# KiCad board sizif512ext.kicad_pcb (continued)
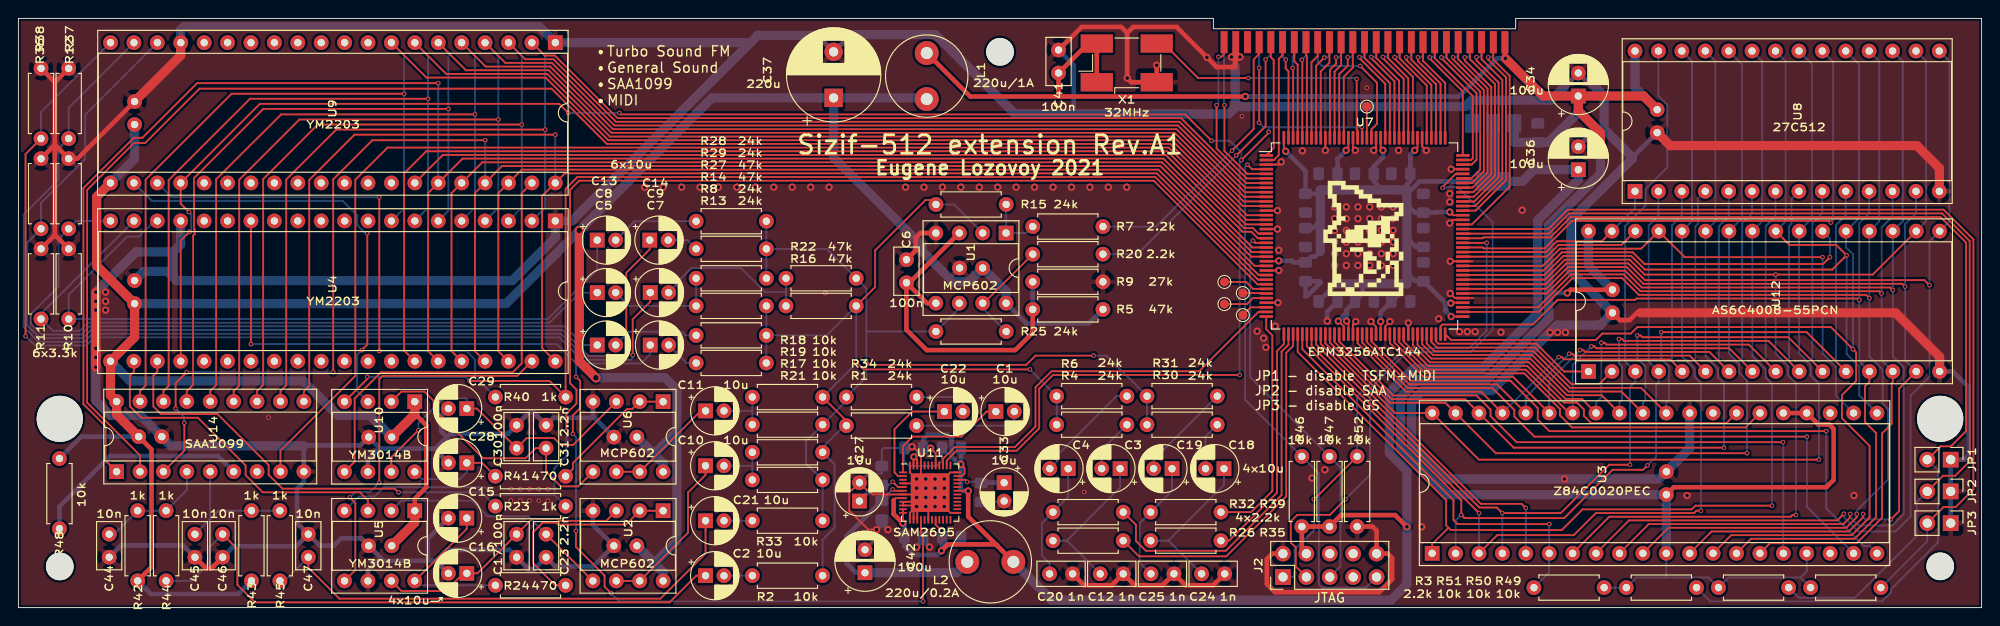
[diagram p0: board, top side]
## Nets (continued)
/SAA_L: C2.1 C46.1 R44.2
/SAA_R: C21.1 C47.1 R45.2
/TCK: J2.1 R52.1 U7.89
/TDI: J2.9 R46.1 U7.4
/TDO: J2.3 U7.104
/TMS: J2.5 R47.1 U7.20
/YM_M: U4.38 U7.25 U9.38
/~{ARD}: U4.36 U7.22 U9.36
/~{AWR}: U4.35 U7.21 U9.35 U14.1
/~{BUSACK}: J1.4 U7.93
/~{BUSRQ}: J1.6 U7.97
/~{GINT}: U3.16 U7.49
/~{GIORQ}: U3.20 U7.56
/~{GM1}: U3.27 U7.63
/~{GMREQ}: U3.19 U7.54
/~{GRAM}: U7.83 U12.22
/~{GRD}: U3.21 U7.82 U8.22 U12.24
/~{GRESET}: U3.26 U7.61
/~{GROM}: U7.88 U8.20
/~{GWR}: U3.22 U7.84 U12.29
/~{HALT}: J1.3 U7.96
/~{INT}: J1.39 U7.143
/~{IORQGE}: J1.20 U7.113
/~{IORQ}: J1.14 U7.107
/~{M1}: J1.26 U7.121
/~{MREQ}: J1.28 U7.131
/~{NMI}: J1.42 U7.1
/~{RD}: J1.18 U7.111
/~{RFSH}: J1.25 U7.122
/~{ROMCSB}: J1.11 U7.106
/~{RST}: J1.43 U4.24 U7.127 U9.24 U11.38
/~{SAA_CS}: U7.15 U14.2
/~{WAIT}: J1.8 U7.99
/~{WR}: J1.16 U7.109
/~{YM1_CS}: U4.34 U7.18
/~{YM2_CS}: U7.19 U9.34
Net-(C1-Pad2): C1.2 R1.2
Net-(C2-Pad2): C2.2 R2.2
Net-(C3-Pad2): C3.2 R4.2
Net-(C4-Pad2): C4.2 R6.2
Net-(C5-Pad2): C5.2 R8.2
Net-(C6-Pad2): C6.2 R5.1 R9.1 U1.3 U1.5
Net-(C7-Pad2): C7.2 R13.2
Net-(C8-Pad2): C8.2 R14.2 R27.2
Net-(C9-Pad2): C9.2 R16.2 R22.2
Net-(C10-Pad2): C10.2 R17.2 R21.2
Net-(C11-Pad2): C11.2 R18.2 R19.2
Net-(C13-Pad2): C13.2 R28.2
Net-(C14-Pad2): C14.2 R29.2
Net-(C15-Pad1): C15.1 R24.2 U5.8
Net-(C16-Pad1): C16.1 C17.1 U2.3 U5.7
Net-(C18-Pad2): C18.2 R30.2
Net-(C19-Pad2): C19.2 R31.2
Net-(C21-Pad2): C21.2 R33.2
Net-(C22-Pad2): C22.2 R34.2
Net-(C23-Pad1): C23.1 U2.5 U5.2
Net-(C26-Pad1): C26.1 C27.1 U11.5
Net-(C28-Pad1): C28.1 R41.2 U10.8
Net-(C29-Pad1): C29.1 C30.1 U6.3 U10.7
Net-(C31-Pad1): C31.1 U6.5 U10.2
Net-(C32-Pad1): C32.1 C33.1 U11.34
Net-(C44-Pad1): C44.1 R42.1 R44.1 U14.4
Net-(C45-Pad1): C45.1 R43.1 R45.1 U14.5
Net-(R1-Pad1): R1.1 R2.1 R4.1 R6.1 R8.1 R13.1 R14.1 R15.1 R16.1 R17.1 R18.1 U1.2
Net-(R15-Pad2): R7.2 R15.2 U1.1
Net-(R19-Pad1): R19.1 R21.1 R22.1 R25.1 R27.1 R28.1 R29.1 R30.1 R31.1 R33.1 R34.1 U1.6
Net-(R20-Pad2): R20.2 R25.2 U1.7
Net-(R23-Pad1): R23.1 U4.23
Net-(R24-Pad1): R24.1 U2.1 U2.2
Net-(R40-Pad1): R40.1 U9.23
Net-(R41-Pad1): R41.1 U6.1 U6.2
Net-(R48-Pad1): R48.1 U14.6
Net-(TP1-Pad1): TP1.1 U7.126
Net-(TP2-Pad1): TP2.1 U7.30
Net-(TP3-Pad1): TP3.1 U7.31
Net-(TP4-Pad1): TP4.1 U7.32
Net-(TP5-Pad1): TP5.1 U7.34
Net-(U4-Pad22): U4.22 U5.3
Net-(U4-Pad39): U4.39 U5.5
Net-(U10-Pad3): U9.22 U10.3
Net-(U10-Pad5): U9.39 U10.5

Pads without a net: J1 45 46; J2 6 7 8; U3 18 23 28; U4 9 10 11 12 13 15 16 25 26 27 28 29 30 31 32 33; U9 9 10 11 12 13 14 15 16 25 26 27 28 29 30 31 32 33; U11 3 17 19 21 22 23 24 26 27 28 29 30 32 33 37 40 42 43 44; U14 7

## Via types
v1: diameter 0.8, hole 0.4, Top to Bottom, 160 vias
v2: diameter 0.5, hole 0.3, Top to Bottom, 141 vias
v3: diameter 1, hole 0.6, Top to Bottom, 2 vias

## Routing (per net, layer and track width the routed paths; a pad name or vN(x,y) marks a point on that pad's centre or on a via; arc(x,y) is an arc through that point)
+3.3VA: length 25.7
  Top w0.2: v2(94.85,12.84) 95,12.69 U11.6
  Bottom w0.2: C43.1 93.68,11.67 v2(94.85,12.84)
  Bottom w0.5: C43.1 89.85,7.77 89.85,4.81 90.88,3.79 C42.1
  Bottom w1: 102.65,4.67 L2.2 101.77,3.79 C42.1
+3V3: length 309.5
  Top w0.2: U7.50 143.8,30.55 143.23,31.12 v1(143.2,31.12) ; v1(148.05,49.67) 147.8,49.92 U7.123 ; 94.95,11.67 95.17,11.89 U11.8 ; v1(144.1,31.12) 144.3,30.92 U7.51 ; v1(102.25,15.57) 102.65,15.17 102.65,14.55 102.4,14.29 U11.35 ; v1(151.5,49.67) 151.8,49.97 U7.115 ; U7.24 136.7,37.62 v1(136.75,37.67) ; U11.11 U11.12 95.97,9.19 v1(95.95,9.17) ; U11.46 97.52,16 v1(97.15,16.37) 97.12,16.34 U11.47 ; U7.73 v1(155.45,31.62) ; U11.41 99.52,16.78 v1(98.98,17.32) ; U7.95 155.65,42.62 v1(155.3,42.97) ; U11.20 99.52,9 v1(100.15,8.37) ; v1(144.05,49.67) 144.3,49.92 U7.130 ; v1(155.41,33.07) 155.46,33.12 U7.76 ; U7.58 v1(147.8,31.07) ; v1(103.05,12.67) 103.03,12.69 U11.31 ; v1(137.5,49.57) 137.3,49.77 U7.144
  Top w0.5: R47.2 143.5,10.05 149.37,10.05 v1(150.65,8.77) ; R47.2 R46.2 139.25,6.35 J2.4 ; R47.2 142.25,8.37 ; 94.95,11.67 94.95,10.17 v1(95.95,9.17) ; 100.7,6.72 100.65,6.67 ; 100.7,6.72 100.85,6.87 106.05,6.87 106.2,6.72 ; 100.7,6.72 v1(100.15,6.17) ; v1(103.05,12.67) 103.05,9.87 106.2,6.72 ; 106.2,6.72 L2.1
  Bottom w0.2: v1(98.98,17.32) 98.95,17.35 C70.1 ; 95.95,8.02 96.12,7.85 ; C68.1 100.22,8.3 v1(100.15,8.37)
  Bottom w0.5: 154.84,33.07 152.43,35.49 151.53,35.49 150.65,36.37 ; 154.84,33.07 v1(155.41,33.07) ; 154.84,33.07 154.84,32.23 v1(155.45,31.62) ; 141.25,38.67 140.7,38.12 140.27,38.12 139.65,37.5 138.38,37.5 138.2,37.67 v1(136.75,37.67) ; v1(155.3,42.97) 153.75,42.97 153.68,42.9 C54.1 151.53,42.9 150.65,43.77 ; 144.1,32.34 144.1,32.02 v1(143.2,31.12) ; 144.1,32.34 C57.1 145.85,34.09 145.85,35.17 ; 144.1,32.34 v1(144.1,31.12) ; 147.85,45.37 147.85,45.54 147.06,46.33 C53.1 147.06,47.93 148.05,48.92 v1(148.05,49.67) ; C58.1 142.85,35.03 142.85,35.17 ; v1(103.05,12.67) 102.48,12.67 102.25,12.9 v1(102.25,15.57) ; v1(144.05,49.67) 143.12,48.75 C48.1 143.12,46.2 143.95,45.37 ; v1(151.5,49.67) 151.02,49.19 C49.1 151.02,46.33 150.65,45.96 150.65,45.37 151.09,45.37 152.01,46.3 U13.2 ; v1(95.95,9.17) 96.12,9 C71.1 96.12,6.64 97.04,5.72 99.7,5.72 v1(100.15,6.17) 100.22,6.25 100.22,7.85 ; v1(102.25,15.57) 102.05,15.57 101.25,16.37 101.25,18.37 100.85,18.77 98.65,18.77 98.18,18.3 C70.1 97.2,16.37 v1(97.15,16.37) ; v1(102.25,15.57) 102.28,15.6 C69.1 ; 141.25,41.67 140.89,41.67 140.44,41.23 C51.1 ; v1(147.8,31.07) 147.8,32.09 C56.1 149.85,34.14 149.85,35.17 ; 150.65,40.17 150.65,40.15 151.62,39.18 C59.1 ; 141.25,45.37 140.83,44.95 C50.1 139.65,47.43 v1(137.5,49.57) ; 139.56,37.62 139.65,37.54
  Bottom w1: L2.1 112.1,0.82 148.95,0.82 150.65,2.52 150.65,14.88 148.75,16.78 148.75,23.36 151.36,25.97 158.85,25.97 164.85,31.97 164.85,42.07 169.25,46.47 C36.1 164.45,47.57 163.18,46.3 U13.2 U13.2 ; 141.25,38.67 141.25,45.37 150.65,45.37 150.65,35.17 142.95,35.17
+5V: length 285.4
  Top w0.5: J1.1 161.29,59.71 v1(161.33,59.66) ; L1.1 103.27,55.52 112.9,55.52 ; C39.2 168.41,34.53 v1(168.05,34.17) ; C38.2 179.6,13.07 196.15,13.07 196.95,13.87 196.95,19.41 196.47,19.88 195.28,19.88 U3.24 U3.25 ; v1(133.12,55.52) 112.9,55.52 ; 112.9,55.52 112.85,55.57 C41.2 116.05,61.27 X1.4 X1.1
  Top w1: C40.2 176.33,55.57 C34.1 ; v1(161.33,59.66) 165.43,55.57 C34.1 ; C34.1 169.25,53.97 171.65,51.57 v1(171.65,49.57)
  Bottom w0.2: 178.75,3.27 183.35,3.27 R50.1 185.55,3.27 193.35,3.27 ; 178.75,3.27 175.55,3.27 R51.1 R3.1 ; 178.75,3.27 178.79,3.31 U3.11 ; U3.17 194.03,3.95 193.35,3.27 ; 193.35,3.27 R49.1
  Bottom w0.5: 166.05,34.57 166.45,34.17 v1(168.05,34.17) ; J1.1 161.29,59.71 v1(161.33,59.66) 160.44,59.66 156.3,55.52 v1(133.12,55.52)
  Bottom w1: C39.2 170.35,37.13 U12.32 ; U13.3 162.3,50.6 162.35,50.55 166.03,50.55 169.25,53.77 C34.1 ; v1(171.65,49.57) 171.65,47.14 166.05,41.54 166.05,31.47 159.35,24.77 151.85,24.77 149.95,22.87 149.95,17.27 154.95,12.27 C38.2 178.79,12.26 U3.11 ; C40.2 175.4,56.5 U8.28
+5VA: length 337
  Top w0.5: U5.1 43,11.82 44.25,13.07 44.25,19.82 43,21.07 ; R42.2 14.44,4.41 14.44,17.18 C63.2 ; 43,21.07 U10.1 ; 43,21.07 43,21.02
  Top w1: U10.1 43,21.02 C64.2 ; v3(62.65,24.97) 60.85,26.77 v3(60.85,40.97) ; C62.2 43,9.22 U5.1 ; C63.2 10.65,20.97 U14.18 9.99,23.05 U4.21 12.6,29.37 C60.2 8.49,37.13 8.49,44.63 U9.21
  Bottom w0.5: R48.2 6.83,18.57 C63.2 ; R5.2 116.15,30.87 109.36,30.87 U1.8 ; R42.2 14.38,1.47 23.84,1.47 R43.2
  Bottom w1: U2.8 69.95,3.87 69,4.82 ; C61.2 12.6,48.74 U9.21 ; 71.45,19.17 71.45,7.27 69,4.82 ; 71.45,19.17 71.45,23.67 70.15,24.97 v3(62.65,24.97) ; 71.45,19.17 68.95,16.67 ; U4.21 12.13,24.62 30.91,24.62 34.66,20.87 38.15,20.87 C64.2 ; 69,4.82 C67.2 ; C37.1 75.25,55.37 v3(60.85,40.97) 52.9,33.02 C60.2 ; C37.1 98.42,55.37 L1.2 ; C37.1 88.45,48.89 98.06,39.28 98.06,38.72 101.39,35.39 103.11,35.39 C65.2 107.16,34.34 U1.8 ; 68.95,16.67 C66.2 ; 68.95,16.67 69.95,15.67 U6.8
GND: length 918.4
  Top w0.2: 90.15,10.53 90.25,10.43 ; 90.15,10.53 90.15,12.61 90.31,12.77 90.45,12.77 C27.2 92.05,12.77 92.19,12.77 92.67,12.29 U11.7 98.72,12.29 ; 90.15,10.53 92.21,8.47 v1(93.1,8.47) ; U7.57 147.3,30.52 v1(146.75,31.07) ; 157.85,33.62 U7.77 155.85,33.62 v1(155.35,34.12) ; 97.92,13.49 U11.49 ; 97.92,13.49 U11.45 97.92,16.62 97.07,17.47 v1(96.95,17.47) ; 97.92,13.49 U11.4 ; U11.49 101.12,10.29 U11.25 ; U11.49 97.52,11.09 U11.10 U11.9 97.92,11.49 U11.49 ; U11.49 97.12,10.69 U11.14 ; U11.49 96.72,14.69 U11.48 ; U11.49 98.92,12.14 97.52,10.74 U11.15 ; U11.49 101.12,14.69 U11.36 ; U11.49 96.72,10.29 U11.13 ; U11.49 98.72,12.29 ; v1(152.75,49.67) 152.3,50.12 U7.114 ; U7.105 v1(155.45,47.62) ; 157.75,37.62 U7.85 v1(155.35,37.62) ; U7.52 144.8,30.77 v1(145.1,31.07) ; v1(145.05,49.67) 144.8,49.92 U7.129 ; U7.124 147.3,49.92 v1(147.05,49.67) ; U7.64 v1(150.8,30.92) ; U7.94 155.65,42.12 v1(155.3,41.77) ; U11.18 98.72,12.29 ; v1(148.8,31.07) 148.3,30.57 U7.59 ; U7.13 v1(136.6,43.12) ; v1(136.75,36.62) U7.26 ; U7.17 v1(136.6,41.12) ; v1(137.01,48.41) 136.71,48.12 U7.3 ; U7.135 v1(141.8,49.67) ; U7.33 v1(136.65,33.12)
  Top w0.5: C41.1 115.35,63.07 119.65,63.07 120.3,62.42 ; 132.08,60.27 J1.47 132.08,60.27 ; 132.08,60.27 v1(131.62,59.81) ; 132.08,60.27 v1(132.54,59.81) ; C39.1 173.75,31.23 174.81,31.23 175.61,32.03 176,32.03 ; 3.95,50.27 R12.1 6.4,48.77 C61.1 ; 3.95,50.27 R36.1 ; 3.95,50.27 3.95,50.47 ; R11.1 3.85,40.37 3.95,40.37 ; v1(132.54,59.81) 131.62,59.81 v1(131.62,59.81) ; v1(132.54,59.81) 132.42,59.81 132.02,59.41 132.02,59.1 ; 106.95,11.27 C33.2 ; C20.2 115.63,2.42 118.62,2.42 C12.2 121.13,2.42 124.12,2.42 C25.2 126.63,2.42 129.62,2.42 C24.2 ; 132.02,59.1 132.02,59.41 v1(131.62,59.81) ; 132.02,59.1 132.02,58.71 130.01,58.71 v1(128.95,59.77) 125.65,63.07 120.95,63.07 120.3,62.42 ; 3.95,57.17 4.05,57.17 R37.1 ; 3.95,57.17 3.85,57.17 R38.1 ; 3.95,57.17 3.95,50.47 ; 3.95,50.47 3.95,40.37 ; C6.1 97.35,38.79 97.35,40.17 97.87,40.69 U1.4 ; R10.1 4.05,40.37 3.95,40.37 ; C46.2 20.95,4.27 20.35,4.27 C45.2 ; v1(123.5,58.92) X1.2 120.75,57.07 v1(120.3,57.52) 120.3,62.42 ; J2.2 136.04,5.86 135.45,5.27 135.45,2.56 136.34,1.67 147.63,1.67 149.05,3.09 149.05,5.38 148.57,5.86 J2.10 147.36,8.36 146.92,8.8 R52.2
  Top w1: v1(8.4,26.12) v1(8.4,27.17) v1(8.4,28.17) v1(8.4,32.32) v1(8.4,33.27) v1(8.4,34.27) ; U9.17 17.61,59.98 C61.1 ; U8.14 208.42,47.74 205.98,50.18 179.22,50.18 C40.1 ; U12.16 208.45,27.24 203.66,32.03 176,32.03
  Bottom w0.2: C33.2 106.85,11.47 C32.2 ; C42.2 93.1,7.54 v1(93.1,8.47) ; C27.2 92.25,14.57 93.65,14.57 93.68,14.6 C26.2 93.68,17.1 93.93,17.35 C70.2 ; C69.2 100.22,15.95 99.65,15.37 96.65,15.37 96.12,15.9 C70.2 ; C70.2 96.83,17.35 v1(96.95,17.47) ; 104.39,11.47 104.95,11.47
  Bottom w0.5: 46.51,18.53 46.86,18.88 53.11,18.88 C30.2 55.44,21.21 55.86,21.21 C31.2 58.05,20.62 62.16,20.62 62.33,20.79 ; 46.51,18.53 45.85,19.18 45.85,20.82 C29.2 ; 46.51,18.53 45.25,17.27 ; 44.42,5.08 39.64,5.08 39.27,5.45 ; 44.42,5.08 44.42,7.49 C15.2 ; 44.42,5.08 45.29,5.08 ; C36.2 171.15,51.97 172.05,51.97 ; C40.1 175.11,48.91 ; 132.02,59.41 132.02,58.73 ; 132.02,59.41 132.02,59.41 132.38,59.77 132.5,59.77 v1(132.54,59.81) ; 132.02,59.41 v1(131.62,59.81) ; C46.2 23.35,6.67 30.15,6.67 C47.2 ; C41.1 114.5,58.92 114.5,53.62 ; v1(93.1,8.47) 93.68,9.05 93.68,9.55 93.68,9.15 v1(94.35,8.47) ; v1(132.54,59.81) 132.08,60.27 ; v1(132.54,59.81) 131.62,59.81 v1(131.62,59.81) ; 39.25,17.27 39.1,17.27 37.92,16.09 U10.6 ; 39.25,17.27 C64.1 37.11,17.63 31.12,17.63 30.97,17.48 U14.9 30.97,13.64 30.22,12.89 30.22,9.2 C47.2 ; 39.25,17.27 45.25,17.27 ; C45.2 17.86,6.76 11.14,6.76 C44.2 ; v1(142,31.12) 142,32.13 C58.2 ; C28.2 45.69,16.68 45.69,16.83 45.25,17.27 ; U2.4 62.33,8.99 C67.1 62.36,4.48 58.24,4.48 C23.2 55.9,4.12 55.4,4.12 C17.2 53.25,6.27 46.48,6.27 45.29,5.08 ; JP3.1 JP2.1 JP1.1 211.15,16.07 211.6,16.52 211.6,23.94 209.89,25.65 U12.16 ; 39.27,5.45 39.27,5.38 37.92,4.03 U5.6 ; 39.27,5.45 C62.1 37.2,7.52 35.01,7.52 34.22,6.73 32.69,6.73 C47.2 ; v1(97.45,6.57) 98.18,7.3 C71.2 98.18,7.25 v1(98.85,6.57) ; 132.08,60.27 v1(131.62,59.81) ; 132.08,60.27 J1.47 132.08,60.27 ; 62.33,20.79 C66.1 ; 62.33,20.79 U6.4 ; 45.29,5.08 C16.2 ; 167.75,56.57 C34.2 170.55,56.77 170.85,56.77 ; 86.66,62.16 C37.2 90.32,62.24 ; 157.69,55.11 157.7,55.11 U13.1 ; 141.3,35.32 141.18,35.45 C52.2 139.65,33.83 139.81,33.83 141.3,35.32
  Bottom w1: 79.4,61.37 U9.1 56.52,63.1 17.93,63.1 17.61,62.78 U9.17 ; 132.02,54.42 132.02,54.33 131.31,53.62 108.13,53.62 99.51,62.24 90.32,62.24 ; 132.02,54.42 157,54.42 157.69,55.11 166.29,55.11 167.75,56.57 ; 132.02,54.42 132.02,58.73 ; 170.85,56.77 172.05,55.57 172.05,51.97 175.11,48.91 175.11,48.77 168.45,42.11 168.45,36.53 C39.1 171.61,30.68 166.96,30.68 v1(166.18,29.9) 159.85,23.57 152.35,23.57 151.15,22.37 151.15,17.77 154.95,13.97 v1(167.75,13.97) 178,13.97 C38.1 181.33,17.3 U3.29 ; 17.2,35.52 53.57,35.52 58.25,40.2 U4.1 60.05,42 80.21,62.16 86.66,62.16 ; 17.2,35.52 16.2,36.52 13.6,36.52 C60.1 ; 17.2,35.52 16.81,35.91 16.81,38.63 ; U4.17 17.61,39.43 16.81,38.63 ; v1(8.4,28.17) v1(8.4,27.17) v1(8.4,26.12) 8.4,22.42 9.93,20.89 13.23,20.89 C63.1 16.55,17.57 30.96,17.57 ; 16.81,38.63 12.76,38.63 v1(8.4,34.27) v1(8.4,33.27) v1(8.4,32.32) ; 37.95,18.57 C64.1 ; C34.2 169.35,58.07
  vias: v1(9.45,34.27) v1(9.45,33.27) v1(9.45,32.32) v1(67.95,45.67) v1(69.95,45.67) v1(71.95,45.67) v1(73.95,45.67) v1(75.95,45.67) v1(77.95,45.67) v1(79.95,45.67) v1(81.95,45.67) v1(83.95,45.67) v1(85.95,45.67) v1(87.95,45.67) v1(96.25,45.67) v1(97.45,13.97) v1(97.45,12.97) v1(97.45,11.97) v1(97.45,10.97) v1(98.25,45.67) v1(98.45,13.97) v1(98.45,12.97) v1(98.45,11.97) v1(98.45,10.97) v1(99.45,13.97) v1(99.45,12.97) v1(99.45,11.97) v1(99.45,10.97) v1(100.25,45.67) v1(100.45,13.97) v1(100.45,12.97) v1(100.45,11.97) v1(100.45,10.97) v1(102.25,45.67) v1(104.25,45.67) v1(106.25,45.67) v1(108.25,45.67) v1(110.25,45.67) v1(112.25,45.67) v1(114.25,45.67) v1(116.25,45.67) v1(118.25,45.67) v1(120.25,45.67) v1(134.4,30.02) v1(135.1,29.27) v1(135.35,28.27) v1(136.35,30.57) v1(136.75,38.82) v1(139.3,49.62) v1(140.35,14.07) v1(141.75,14.97) v1(142.8,43.52) v1(142.8,42.25) v1(142.8,40.98) v1(142.8,39.71) v1(142.8,38.44) v1(142.8,37.17) v1(144.07,43.52) v1(144.07,42.25) v1(144.07,40.98) v1(144.07,39.71) v1(144.07,38.44) v1(144.07,37.17) v1(145.34,43.52) v1(145.34,42.25) v1(145.34,40.98) v1(145.34,39.71) v1(145.34,38.44) v1(145.34,37.17) v1(146.61,43.52) v1(146.61,42.25) v1(146.61,40.98) v1(146.61,39.71) v1(146.61,38.44) v1(146.61,37.17) v1(147.88,43.52) v1(147.88,42.25) v1(147.88,40.98) v1(147.88,39.71) v1(147.88,38.44) v1(147.88,37.17) v1(149.15,43.52) v1(149.15,42.25) v1(149.15,40.98) v1(149.15,39.71) v1(149.15,38.44) v1(149.15,37.17) v1(149.75,49.67) v1(152.25,8.77) v1(154.1,31.37) v1(155.3,44.97) v1(155.3,44.07) v1(156.35,29.97) v1(157.2,29.97) v1(158.05,29.97) v1(160.85,29.92) v1(163.15,43.17) v1(167,29.9) v1(167.85,29.9) v1(181.05,12.17) v1(199.15,12.17) v2(27.13,20.65) v2(53.45,12.87) v2(53.45,11.62) v2(54.45,12.87) v2(54.45,11.62) v2(55.45,12.87) v2(55.45,11.62) v2(56.45,12.87) v2(56.45,11.62) v2(57.45,12.87) v2(57.45,11.62) v2(87.55,34.17) v2(115.65,12.57) v2(132.75,53.37) v2(146.3,56.47)
/A0: length 10.4
  Top w0.2: J1.36 139.7,60.02 139.8,59.92 U7.139
/A1: length 10.7
  Top w0.2: J1.34 140.97,59.92 140.3,59.25 U7.138
/A2: length 11.1
  Top w0.2: U7.137 140.8,58.86 v2(141.69,59.75)
  Bottom w0.2: J1.31 142.24,60.02 141.97,59.75 v2(141.69,59.75)
/A3: length 10.8
  Top w0.2: J1.32 142.24,59.18 141.3,58.24 U7.136
/A4: length 11.1
  Top w0.2: v2(142.96,59.76) 142.96,59.08 142.3,58.42 U7.134
  Bottom w0.2: J1.29 143.51,60.02 143.25,59.76 v2(142.96,59.76)
/A5: length 10.6
  Top w0.2: U7.140 139.3,59.45 v2(139.25,59.5)
  Bottom w0.2: v2(139.25,59.5) 139.7,59.95 J1.35
/A6: length 10.7
  Top w0.2: U7.133 142.8,58.22 143.51,58.93 J1.30
/A7: length 11.2
  Top w0.2: U7.132 143.3,57.93 144.23,58.86 v2(144.23,59.77)
  Bottom w0.2: v2(144.23,59.77) 144.53,59.77 144.78,60.02 J1.27
/A8: length 21.1
  Top w0.2: U7.98 157.97,44.12 160.6,46.75 160.6,57.04 158.2,59.44 v2(158.2,59.79)
  Bottom w0.2: v2(158.2,59.79) 158.52,59.79 158.75,60.02 J1.5
/A9: length 18.9
  Top w0.2: J1.10 156.21,59.57 159.4,56.38 159.4,47.25 157.77,45.62 U7.101
/A10: length 17.6
  Top w0.2: J1.12 154.94,59.71 158.6,56.05 158.6,47.58 157.64,46.62 U7.103
/A11: length 18.6
  Top w0.2: U7.102 157.71,46.12 159,47.41 159,56.22 155.66,59.56 v2(155.66,59.77)
  Bottom w0.2: v2(155.66,59.77) 155.96,59.77 156.21,60.02 J1.9
/A12: length 19.8
  Top w0.2: v2(156.93,59.77) 156.93,59.42 159.8,56.55 159.8,47.08 157.84,45.12 U7.100
  Bottom w0.2: v2(156.93,59.77) 157.23,59.77 157.48,60.02 J1.7
/A13: length 11.6
  Top w0.2: U7.116 151.3,57.65 149.31,59.64 v2(149.31,59.8)
  Bottom w0.2: v2(149.31,59.8) 149.64,59.8 149.86,60.02 J1.19
/A14: length 11.9
  Top w0.2: U7.120 149.3,57.17 146.77,59.7 v2(146.77,59.81)
  Bottom w0.2: J1.23 147.32,60.02 147.11,59.81 v2(146.77,59.81)
/A15: length 11.4
  Top w0.2: J1.24 147.32,59.71 149.8,57.23 U7.119
/AA0: length 182.3
  Top w0.2: U7.23 133.75,38.12 123.9,47.97 52.47,47.97 U9.37 49.53,45.03 49.53,27.86 U4.37 ; v2(34.15,25.57) 34.15,46.52 38.4,50.77 v2(50.65,50.77) ; v2(18,20.07) 18,17.04 U14.3 ; v2(18.25,25.57) 17.06,24.38 v2(17.06,21.62)
  Bottom w0.2: v2(50.65,50.77) 50.65,46.15 U9.37 ; v2(18.25,25.57) v2(34.15,25.57) ; v2(17.06,21.62) 18,20.68 v2(18,20.07)
/AD0: length 161
  Top w0.2: U14.10 30.97,23.49 31.55,24.07 31.55,46.46 36.46,51.37 v2(58.25,51.37) ; U4.40 56.81,28.2 56.81,44.69 U9.40 59.29,47.17 123.52,47.17 134.57,36.12 U7.27
  Bottom w0.2: v2(58.25,51.37) U9.40
/AD1: length 161.3
  Top w0.2: v2(57.15,51.92) 34.47,51.92 29.05,46.5 29.05,24.14 28.43,23.52 U14.11 ; U7.7 133.19,46.12 126.14,53.17 65,53.17 58.2,59.97 57.11,59.97 U9.2
  Bottom w0.2: U9.2 57.15,59.93 57.15,43.44 U4.2
/AD2: length 164.2
  Top w0.2: U7.8 133.12,45.62 125.97,52.77 64.83,52.77 58.03,59.57 54.97,59.57 U9.3 ; U14.12 25.89,23.52 26.55,24.18 26.55,46.54 32.48,52.47 v2(54.61,52.47)
  Bottom w0.2: U4.3 54.61,43.44 54.61,59.93 U9.3
/AD3: length 167.2
  Top w0.2: U14.13 23.35,23.52 23.95,24.12 23.95,46.48 30.49,53.02 v2(52.07,53.02) ; U7.9 133.06,45.12 125.81,52.37 64.67,52.37 57.87,59.17 52.83,59.17 U9.4
  Bottom w0.2: U4.4 52.07,43.44 52.07,59.93 U9.4
/AD4: length 170.2
  Top w0.2: U7.10 132.99,44.62 125.64,51.97 64.5,51.97 57.7,58.77 50.69,58.77 U9.5 ; v2(49.53,53.57) 28.5,53.57 21.45,46.52 21.45,24.16 20.81,23.52 U14.14
  Bottom w0.2: U9.5 49.53,59.93 49.53,43.44 U4.5
/AD5: length 172.6
  Top w0.2: U14.15 18.27,23.52 18.95,24.2 18.95,40.4 19.11,40.56 19.11,41.08 19.05,41.14 19.05,46.66 26.56,54.17 v2(46.65,54.17) ; U7.11 132.93,44.12 125.48,51.57 64.34,51.57 57.54,58.37 48.55,58.37 U9.6
  Bottom w0.2: U4.6 46.65,43.1 v2(46.65,54.17) 46.65,60.27 U9.6
/AD6: length 176.4
  Top w0.2: U7.12 132.86,43.62 125.31,51.17 64.17,51.17 57.37,57.97 46.41,57.97 U9.7 ; U14.16 15.73,23.52 16.3,24.09 16.3,46.45 25.12,55.27 v2(44.45,55.27)
  Bottom w0.2: U9.7 44.45,59.93 44.45,43.44 U4.7
/AD7: length 179.5
  Top w0.2: U14.17 13.19,23.52 13.8,24.13 13.8,46.49 23.13,55.82 v2(41.85,55.82) ; U9.8 44.27,57.57 57.21,57.57 64.01,50.77 125.14,50.77 133.29,42.62 U7.14
  Bottom w0.2: U9.8 41.85,59.99 41.85,43.38 U4.8
/AY_A1: length 80.1
  Bottom w0.2: C5.1 61.3,28.52 59.27,30.55 7.7,30.55 6.82,29.67 2.5,29.67 1.35,30.82 1.35,31.88 4.35,34.88 4.35,40.05 R12.2 6.3,42 U4.20
/AY_A2: length 106.8
  Top w0.2: v2(0.77,29.49) 0.77,49.27 R38.2
  Bottom w0.2: v2(0.77,29.49) 1.79,28.47 7.35,28.47 8.23,29.35 58.7,29.35 61.53,26.52 67.55,26.52 68.55,27.52 C7.1 ; R38.2 2.45,53.83 U9.20
/AY_B1: length 77.4
  Bottom w0.2: C8.1 60.9,34.22 57.63,30.95 7.53,30.95 6.65,30.07 3.73,30.07 R11.2 2.45,31.92 U4.19
/AY_B2: length 112.1
  Top w0.2: C9.1 68.55,33.22 66.65,31.32 v2(66.65,27.44)
  Bottom w0.2: U9.19 5.45,54.29 R37.2 4.35,49.85 4.35,46.47 0.55,42.67 0.55,30.49 2.17,28.87 7.15,28.87 8.03,29.75 58.86,29.75 61.69,26.92 66.49,26.92 66.65,27.08 v2(66.65,27.44)
/AY_C1: length 78.3
  Bottom w0.2: U4.18 14.78,42 13.07,40.3 11.77,40.3 5.45,33.97 R10.2 57.43,31.35 62.8,36.72 C13.1
/AY_C2: length 117.2
  Top w0.2: C14.1 68.5,38.92 65.95,36.37 v2(65.95,27.47)
  Bottom w0.2: v2(65.95,27.47) 65.6,27.47 65.45,27.32 61.86,27.32 59.03,30.15 7.86,30.15 6.98,29.27 2.34,29.27 0.95,30.66 0.95,39.65 R36.2 2.45,43.95 7.25,48.75 7.25,53.55 U9.18
/BUS0: length 18.8
  Top w0.2: U7.6 133.25,46.62 130,49.87 v2(130,54.57) ; v2(130.2,59.82) 130.5,59.82 130.81,60.13 J1.50
  Bottom w0.2: v2(130,54.57) 130.2,54.77 v2(130.2,59.82)
/BUS1: length 17.4
  Top w0.2: U7.5 133.32,47.12 130.85,49.59 v2(130.85,54.57)
  Bottom w0.2: v2(130.85,54.57) 130.81,54.61 J1.49
/CFG0: length 121.8
  Top w0.2: U7.90 158.89,40.12 158.99,40.22 166.22,40.22 168.42,42.42 208.55,42.42 211.31,39.66 211.31,19.16 209.67,17.52 208.56,17.52 JP1.2
  Bottom w0.2: R51.2 183.57,0.67 202.2,0.67 203.17,1.64 203.17,1.99 208.26,7.08 208.26,14.92 JP1.2
/CFG1: length 109.5
  Top w0.2: U7.91 157.55,40.62 166.05,40.62 168.25,42.82 208.71,42.82 211.71,39.82 211.71,15.89 210.14,14.32 208.81,14.32 JP2.2
  Bottom w0.2: JP2.2 205.95,11.46 205.95,7.77 199.25,1.07 193.17,1.07 R50.2
/CFG2: length 100.4
  Top w0.2: JP3.2 208.86,10.92 210.19,10.92 212.11,12.84 212.11,39.99 208.88,43.22 168.09,43.22 165.99,41.12 U7.92
  Bottom w0.2: JP3.2 207.11,7.21 R49.2
/CLK32: length 29.7
  Top w0.2: U7.128 145.3,51.84 145.2,51.94 v2(145.2,57.42) ; X1.3 124.25,61.27 128,57.52 v2(133.45,57.52)
  Bottom w0.2: v2(133.45,57.52) 145.1,57.52 v2(145.2,57.42)
/CLKCPU: length 16.6
  Top w0.2: v2(145.59,58.83) 147.4,57.02 147.4,52.55 146.8,51.95 U7.125
  Bottom w0.2: 140.97,60.59 J1.33 140.97,59.34 140.95,59.32 141.44,58.83 v2(145.59,58.83)
/D0: length 10.5
  Top w0.2: J1.38 138.43,59.34 138.8,58.97 U7.141
/D1: length 10.5
  Top w0.2: v2(138.25,58.62) 138.3,58.57 U7.142
  Bottom w0.2: J1.37 138.43,60.02 138.25,59.84 v2(138.25,58.62)
/D2: length 14
  Top w0.2: U7.2 136.22,48.62 136.75,49.15 136.75,59.61 137.16,60.02 J1.40
/D3: length 11.7
  Top w0.2: U7.118 150.3,57.43 148.04,59.69 v2(148.04,59.81)
  Bottom w0.2: v2(148.04,59.81) 148.38,59.81 148.59,60.02 J1.21
/D4: length 11.3
  Top w0.2: U7.117 150.8,57.49 148.59,59.7 J1.22
/D5: length 11.9
  Top w0.2: v2(150.58,59.77) 150.58,59.5 153.3,56.78 U7.112
  Bottom w0.2: v2(150.58,59.77) 150.88,59.77 151.13,60.02 J1.17
/D6: length 11.8
  Top w0.2: U7.110 154.3,56.91 151.85,59.36 v2(151.85,59.77)
  Bottom w0.2: v2(151.85,59.77) 152.15,59.77 152.4,60.02 J1.15
/D7: length 14.2
  Top w0.2: U7.108 156.71,56.07 153.12,59.66 v2(153.12,59.77)
  Bottom w0.2: v2(153.12,59.77) 153.42,59.77 153.67,60.02 J1.13
/FM1: length 18
  Top w0.2: C10.1 74.55,14.4 72.65,12.5 72.65,8.14 U2.7 U2.6
/FM1_ENA: length 140.9
  Top w0.2: v2(59.45,19.17) 59.45,21.07 60.55,22.17 60.55,23.67 59.85,24.37 59.85,45.37 60.85,46.37 123.19,46.37 134.44,35.12 U7.29
  Bottom w0.2: 58.15,12.24 58.15,15.13 59.45,16.43 v2(59.45,19.17) ; 58.15,12.24 R23.2 ; 58.15,12.24 51.48,12.24 50.65,13.07 39.65,13.07 38.65,12.07 36.93,12.07 U5.4
/FM2: length 12.4
  Top w0.2: U6.6 U6.7 74.03,21.37 C11.1
/FM2_ENA: length 129.9
  Top w0.2: v2(37.85,25.07) 37.85,24.84 U10.4 ; U7.28 134.5,35.62 123.35,46.77 60.65,46.77 59.37,45.49 R40.2 57.62,24.62 v2(48.95,24.62)
  Bottom w0.2: v2(37.85,25.07) 48.5,25.07 v2(48.95,24.62)
/GA0: length 81.7
  Top w0.2: v2(178.25,29.92) 194.02,29.92 U12.12 ; U3.30 176.05,23.87 168.35,23.87 164.37,27.85 153.63,27.85 152.8,28.68 U7.68
  Bottom w0.2: U12.12 197.19,26.75 197.19,41.55 198.26,42.62 U8.10 ; U3.30 178.79,22.27 179.07,22.55 179.07,26.18 178.25,27 v2(178.25,29.92)
/GA1: length 79.2
  Top w0.2: U3.31 173.92,23.47 168.18,23.47 164.21,27.45 153.47,27.45 152.3,28.61 U7.67 ; U12.11 192.03,29.37 176.2,29.37 176,29.57 v2(175.65,29.57)
  Bottom w0.2: U8.9 195.72,42.83 194.65,41.76 194.65,26.75 U12.11 ; v2(175.65,29.57) 175.65,27.06 176.53,26.18 176.53,22.55 176.25,22.27 U3.31
/GA2: length 75.9
  Top w0.2: U3.32 171.78,23.07 168.02,23.07 164.04,27.05 153.3,27.05 151.8,28.55 U7.66 ; U12.10 189.89,28.97 174.2,28.97 174,29.17 v2(173.65,29.17)
  Bottom w0.2: v2(173.65,29.17) 173.65,26.52 173.99,26.18 173.99,22.55 173.71,22.27 U3.32 ; U8.8 192.38,44.42 192.38,41.69 192.11,41.42 192.11,26.75 U12.10
/GA3: length 72.7
  Top w0.2: v2(171.75,28.77) 172.1,28.77 172.3,28.57 187.75,28.57 U12.9 ; U7.65 151.3,28.48 153.14,26.65 163.88,26.65 167.85,22.67 169.64,22.67 U3.33
  Bottom w0.2: U12.9 189.57,26.75 189.57,41.42 190.64,42.49 U8.7 ; U3.33 171.17,22.27 171.75,22.85 v2(171.75,28.77)
/GA4: length 70
  Top w0.2: U3.34 168.26,21.14 163.55,25.85 152.81,25.85 149.8,28.85 U7.62 ; U12.8 185.61,28.17 171.2,28.17 171,28.37 v2(170.65,28.37)
  Bottom w0.2: U3.34 168.63,26.35 v2(170.65,28.37) ; U12.8 187.03,26.75 187.03,41.76 188.1,42.83 U8.6
/GA5: length 67.2
  Top w0.2: U12.7 183.47,27.77 170,27.77 169.8,27.97 v2(169.45,27.97) ; U7.60 148.8,28.72 152.47,25.05 162.18,25.05 U3.35
  Bottom w0.2: U8.5 185.56,42.49 184.49,41.42 184.49,26.75 U12.7 ; U3.35 166.09,24.61 v2(169.45,27.97)
/GA6: length 65.7
  Top w0.2: U3.36 160.44,24.25 150.91,24.25 146.3,28.85 U7.55 ; v2(168.25,27.57) 168.6,27.57 168.8,27.37 181.33,27.37 U12.6
  Bottom w0.2: U8.4 182.22,44.42 182.22,41.69 181.95,41.42 181.95,26.75 U12.6 ; U3.36 163.55,22.87 v2(168.25,27.57)
/GA7: length 63
  Top w0.2: U12.5 179.19,26.97 167.7,26.97 167.46,27.21 v2(167.11,27.21) ; U3.37 158.7,23.45 150.57,23.45 145.3,28.72 U7.53
  Bottom w0.2: U12.5 179.41,26.75 179.41,41.53 180.48,42.6 U8.3 ; U3.37 167.08,27.21 v2(167.11,27.21)
/GA8: length 92.7
  Top w0.2: U7.48 142.8,28.85 149,22.64 156.96,22.64 U3.38 162.24,17.37 v2(185.05,17.37)
  Bottom w0.2: v2(185.05,17.37) 185.05,24.37 184.4,25.02 184.4,25.93 183.05,27.28 U12.27 184.12,41.96 184.12,59.36 U8.25
/GA9: length 96.8
  Top w0.2: v2(187.55,16.77) 160.3,16.77 U3.39 154.82,22.24 148.83,22.24 142.3,28.78 U7.47
  Bottom w0.2: U8.24 187,59.02 187,42.3 U12.26 185.59,27.62 186.69,26.52 186.69,25.53 187.55,24.67 v2(187.55,16.77)
/GA10: length 106.2
  Top w0.2: U7.46 141.8,28.71 149.38,21.14 U3.40 158.45,16.07 v2(195.35,16.07)
  Bottom w0.2: U8.21 194.62,59.02 194.62,42.3 U12.23 193.21,27.62 194.45,26.38 194.45,25.22 195.35,24.32 v2(195.35,16.07)
/GA11: length 118.8
  Top w0.2: 155.16,8.67 153.39,6.9 U3.1 ; 155.16,8.67 155.41,8.42 167.45,8.42 169.7,10.67 181.55,10.67 181.95,11.07 v2(190.25,11.07) ; 155.16,8.67 154.9,8.93 154.9,11.67 138.8,27.77 U7.40
  Bottom w0.2: U8.23 189.2,59.36 189.2,41.96 U12.25 188.13,27.28 189.57,25.84 189.57,25 190.25,24.32 v2(190.25,11.07)
/GA12: length 84.9
  Top w0.2: U7.42 139.8,28.38 156.55,11.63 v2(156.55,10.07) 156.9,9.72 167.72,9.72 172.97,14.97 176.28,14.97 v2(176.75,15.45)
  Bottom w0.2: v2(176.75,15.45) 177.69,16.38 177.69,24.24 177.97,24.52 U12.4 176.87,26.75 176.87,41.49 177.94,42.56 U8.2 ; v2(156.55,10.07) 155.93,9.45 U3.2
/GA13: length 109
  Top w0.2: v2(182.55,10.52) 182.06,10.52 181.81,10.27 171.15,10.27 168.75,7.87 160.44,7.87 U3.3 ; U7.43 140.3,28.44 v2(158.47,10.27)
  Bottom w0.2: U8.26 181.58,59.36 181.58,41.96 U12.28 180.51,27.28 181.86,25.93 181.86,25.06 182.55,24.37 v2(182.55,10.52) ; v2(158.47,10.27) 158.47,10.26 U3.3
/GA14: length 97.2
  Top w0.2: U7.44 140.8,28.58 158.51,10.87 160.4,10.87 v2(161,10.27) 167.35,10.27 172.6,15.52 v2(174.85,15.52)
  Bottom w0.2: v2(161,10.27) 161.01,10.26 U3.4 ; U8.27 177.94,55.58 178.9,54.62 178.9,47.81 176.55,45.46 176.55,43.67 174.33,41.45 174.33,26.75 U12.3 175.43,24.52 174.85,23.94 v2(174.85,15.52)
/GA15: length 35.6
  Top w0.2: U7.45 141.3,28.65 158.68,11.27 163.1,11.27 v2(163.55,10.82)
  Bottom w0.2: U3.5 v2(163.55,10.82)
